# KiCad board revxl.kicad_pcb (continued)
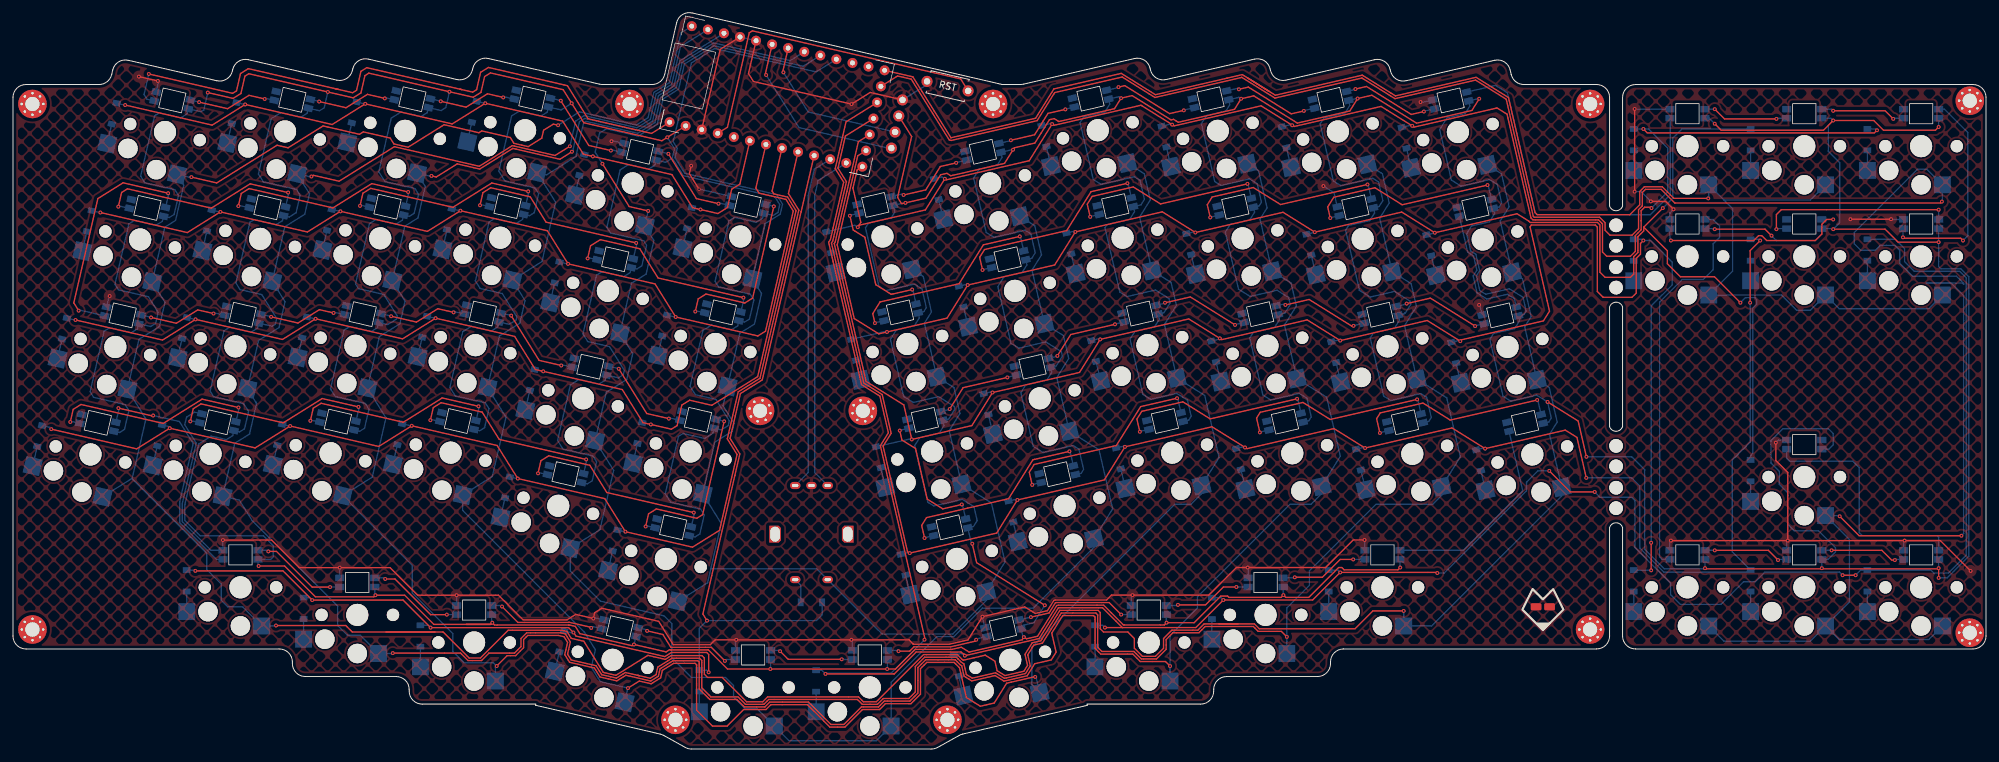
[diagram p0: board, top side]
## Routing (per net, layer and track width the routed paths; a pad name or vN(x,y) marks a point on that pad's centre or on a via; arc(x,y) is an arc through that point) (continued)
LED25: length 15
  Top w0.2: v1(48.85,24.96) 46.1,24.96 40.6,30.46 v1(39.35,30.46)
  Bottom w0.2: v1(48.85,24.96) 48.86,24.97 LED50.4 ; LED49.2 39.19,30.62 v1(39.35,30.46)
LED26: length 15
  Top w0.2: v1(66.85,20.71) 64.35,20.71 58.85,26.21 v1(57.35,26.21)
  Bottom w0.2: v1(57.35,26.21) 57.19,26.37 LED50.2 ; LED51.4 66.86,20.72 v1(66.85,20.71)
LED27: length 18.3
  Top w0.2: v1(75.35,21.96) 77.8,19.51 78.85,19.51 85.6,19.51 85.66,19.55 89.02,18.77 v1(89.09,18.66)
  Bottom w0.2: LED51.2 75.19,22.12 v1(75.35,21.96) ; v1(89.09,18.66) 89.39,18.85 LED55.4
LED28: length 17.3
  Top w0.2: v1(97.7,18.21) 100.13,17.65 101.35,15.7 101.44,15.68 106.69,15.68 107.59,15.68 v1(109.69,13.58)
  Bottom w0.2: LED57.4 109.91,13.8 v1(109.69,13.58) ; v1(97.7,18.21) 97.59,18.4 LED55.2
LED29: length 13.2
  Top w0.2: v1(127.69,13.83) 119.44,13.83 v1(118.19,15.08)
  Bottom w0.2: v1(118.19,15.08) 118.07,15.2 LED57.2 ; v1(127.69,13.83) 127.72,13.8 LED58.4
LED30: length 16
  Top w0.2: v1(136.44,15.08) 138.16,15.08 138.83,15.75 139.23,15.75 144.48,15.75 148.27,16.63 v1(148.41,16.84)
  Bottom w0.2: LED58.2 136.32,15.2 v1(136.44,15.08) ; LED56.4 148.48,16.97 v1(148.41,16.84)
LED31: length 19.1
  Top w0.2: v1(170.75,20.72) 168.9,22.57 167.75,22.57 160.71,22.57 160.62,22.55 159.63,20.97 v1(156.84,20.33)
  Bottom w0.2: v1(156.84,20.33) 156.83,20.33 LED56.2 ; v1(170.75,20.72) 170.75,20.72 LED54.4
LED32: length 13.8
  Top w0.2: v1(188.5,24.97) 186.5,24.97 183.75,22.22 v1(179.5,22.22)
  Bottom w0.2: v1(179.5,22.22) 179.4,22.12 LED54.2 ; LED53.4 188.5,24.97 v1(188.5,24.97)
LED33: length 13.8
  Top w0.2: v1(206.5,29.22) 204.5,29.22 201.75,26.47 v1(197.5,26.47)
  Bottom w0.2: LED53.2 197.4,26.37 v1(197.5,26.47) ; LED52.4 206.5,29.22 v1(206.5,29.22)
LED34: length 32.1
  Bottom w0.2: LED52.2 223.45,30.62 232.52,39.7 232.61,39.84 LED25.4
LED35: length 32.6
  Top w0.2: v1(210.61,48.72) 210.1,50.91 210.67,51.81 217.24,53.33 221.44,50.7 v1(234.84,53.8)
  Bottom w0.2: LED25.2 234.95,53.73 v1(234.84,53.8) ; v1(210.61,48.72) 210.64,48.77 LED29.4
LED36: length 32.6
  Top w0.2: v1(216.34,53.89) 202.95,50.8 198.75,53.42 192.17,51.9 191.61,51 v1(192.12,48.81)
  Bottom w0.2: LED29.2 216.45,53.82 v1(216.34,53.89) ; v1(192.12,48.81) 192.15,48.86 LED33.4
LED37: length 32.4
  Top w0.2: v1(173.62,48.9) 173.17,50.85 173.92,52.05 180.25,53.51 184.45,50.89 v1(197.85,53.98)
  Bottom w0.2: LED33.2 197.96,53.91 v1(197.85,53.98) ; v1(173.62,48.9) 173.65,48.95 LED37.4
LED38: length 33
  Top w0.2: v1(157.04,40.71) 156.59,42.66 157.34,43.86 170,46.78 173.75,52.78 v1(179.35,54.07)
  Bottom w0.2: v1(179.35,54.07) 179.47,54 LED37.2 ; LED41.4 157.07,40.76 v1(157.04,40.71)
LED39: length 33
  Top w0.2: v1(140.46,32.52) 140.01,34.47 140.75,35.67 147.09,37.13 153.4,38.59 157.14,44.58 157.41,44.65 v1(162.77,45.88)
  Bottom w0.2: LED45.4 140.49,32.57 v1(140.46,32.52) ; v1(162.77,45.88) 162.88,45.81 LED41.2
LED40: length 21.6
  Top w0.2: v1(146.19,37.69) 143.27,37.02 140.87,38.52 139.07,46.31 136.97,47.62 v1(136.63,49.08)
  Bottom w0.2: v1(136.63,49.08) 136.66,49.13 LED46.4 ; LED45.2 146.3,37.62 v1(146.19,37.69)
LED41: length 13.8
  Top w0.2: v1(144.33,52.4) 146.39,55.7 v1(153.21,57.27)
  Bottom w0.2: LED46.2 144.29,52.33 v1(144.33,52.4) ; LED42.4 153.24,57.32 v1(153.21,57.27)
LED42: length 13.8
  Top w0.2: v1(169.8,65.46) 162.98,63.89 v1(160.91,60.59)
  Bottom w0.2: v1(169.8,65.46) 169.83,65.51 LED38.4 ; LED42.2 160.87,60.52 v1(160.91,60.59)
LED43: length 15
  Top w0.2: v1(188.29,65.37) 181.39,69.68 v1(177.5,68.78)
  Bottom w0.2: LED34.4 188.32,65.42 v1(188.29,65.37) ; v1(177.5,68.78) 177.45,68.71 LED38.2
LED44: length 15
  Top w0.2: v1(196.05,68.45) 199.7,69.29 206.3,65.17 v1(206.54,65.22)
  Bottom w0.2: LED34.2 195.82,68.59 v1(196.05,68.45) ; v1(206.54,65.22) 206.57,65.27 LED30.4
LED45: length 15
  Top w0.2: v1(225.28,65.19) 218.38,69.5 v1(214.73,68.65)
  Bottom w0.2: v1(214.73,68.65) 214.69,68.58 LED30.2 ; LED26.4 225.31,65.24 v1(225.28,65.19)
LED46: length 20.4
  Bottom w0.2: LED26.2 231.33,69.42 230.24,70.1 227.07,69.37 225.58,70.3 224.98,72.89 ; 224.98,72.89 225.55,73.8 225.04,76 224.13,76.57 LED27.4
LED47: length 32.3
  Top w0.2: v1(202.96,81.85) 202.57,83.55 203.5,85.05 209.84,86.51 213.74,84.08 214.04,83.89 v1(227.19,86.93)
  Bottom w0.2: LED27.2 227.3,86.86 v1(227.19,86.93) ; LED31.4 202.99,81.89 v1(202.96,81.85)
LED48: length 32.4
  Top w0.2: v1(184.47,81.94) 184.02,83.89 184.77,85.09 191.1,86.55 195.3,83.92 v1(208.7,87.02)
  Bottom w0.2: LED35.4 184.5,81.99 v1(184.47,81.94) ; v1(208.7,87.02) 208.81,86.95 LED31.2
LED49: length 32.4
  Top w0.2: v1(190.2,87.11) 176.8,84.02 172.61,86.64 166.27,85.18 165.52,83.98 v1(165.97,82.03)
  Bottom w0.2: v1(165.97,82.03) 166,82.08 LED39.4 ; LED35.2 190.31,87.04 v1(190.2,87.11)
LED50: length 33
  Top w0.2: v1(149.39,73.84) 148.94,75.79 149.69,76.99 162.36,79.91 166.1,85.91 v1(171.71,87.2)
  Bottom w0.2: LED39.2 171.82,87.13 v1(171.71,87.2) ; LED43.4 149.42,73.89 v1(149.39,73.84)
LED51: length 32.8
  Top w0.2: v1(155.12,79.01) 149.52,77.72 145.77,71.72 133.59,68.91 132.47,67.11 v1(132.81,65.65)
  Bottom w0.2: v1(132.81,65.65) 132.84,65.7 LED47.4 ; v1(155.12,79.01) 155.23,78.94 LED43.2
LED52: length 21.8
  Top w0.2: v1(128.95,82.19) 129.46,80 131.26,78.88 132.89,71.81 132.94,71.57 135.33,70.08 135.58,70.14 v1(138.54,70.82)
  Bottom w0.2: v1(138.54,70.82) 138.65,70.75 LED47.2 ; LED48.4 128.99,82.26 v1(128.95,82.19)
LED53: length 13.9
  Top w0.2: v1(137.23,85.4) 140.64,86.19 142.89,89.78 v1(145.32,90.35)
  Bottom w0.2: v1(137.23,85.4) 137,85.54 LED48.2 ; v1(145.32,90.35) 145.35,90.4 LED44.4
LED54: length 13.8
  Top w0.2: v1(162.15,98.59) 159.47,97.97 157.41,94.68 v1(153.75,93.83)
  Bottom w0.2: LED44.2 153.71,93.76 v1(153.75,93.83) ; LED40.4 162.18,98.64 v1(162.15,98.59)
LED55: length 15
  Top w0.2: v1(170.34,102.02) 171.31,102.25 178.21,97.94 v1(180.4,98.45)
  Bottom w0.2: LED40.2 170.29,101.95 v1(170.34,102.02) ; v1(180.4,98.45) 180.43,98.49 LED36.4
LED56: length 15
  Top w0.2: v1(198.89,98.35) 196.95,97.9 190.35,102.03 v1(188.89,101.69)
  Bottom w0.2: LED32.4 198.92,98.4 v1(198.89,98.35) ; LED36.2 188.66,101.83 v1(188.89,101.69)
LED57: length 15
  Top w0.2: v1(206.84,101.73) 208.54,102.12 215.44,97.81 v1(217.39,98.26)
  Bottom w0.2: v1(206.84,101.73) 206.79,101.66 LED32.2 ; v1(217.39,98.26) 217.42,98.31 LED28.4
LED58: length 59.7
  Bottom w0.2: LED28.2 228.43,102.29 230.26,101.15 231.16,97.25 234.53,82.63 234.78,82.38 246.86,82.38 247,82.36 252.29,82.36 255.35,85.43 255.35,97.17 LED61.4
LED59: length 13.3
  Top w0.2: v1(262.2,98.63) 263.7,97.13 v1(271.7,97.13)
  Bottom w0.2: v1(271.7,97.13) 271.8,97.22 LED65.4 ; v1(262.2,98.63) 262.2,98.62 LED61.2
LED60: length 13.3
  Top w0.2: v1(289.7,97.13) 288.45,98.38 v1(280.45,98.38)
  Bottom w0.2: LED65.2 280.21,98.62 v1(280.45,98.38) ; v1(289.7,97.13) 289.8,97.22 LED68.4
LED61: length 33.8
  Top w0.2: v1(291.2,78.88) 291.35,78.73 300.1,78.73 v1(300.45,78.38)
  Bottom w0.2: v1(291.2,78.88) 291.2,80.13 LED67.4 ; v1(300.45,78.38) 301.2,79.13 301.2,95.02 297.6,98.62 LED68.2
LED62: length 30.7
  Top w0.2: v1(296.7,83.13) 279.45,83.13 272.45,83.13 271.7,82.38 v1(271.7,80.13)
  Bottom w0.2: v1(271.7,80.13) 271.8,80.22 LED64.4 ; v1(296.7,83.13) 296.7,83.12 LED67.2
LED63: length 31.5
  Top w0.2: v1(255.45,78.38) 268.2,78.38 268.95,79.13 269.45,79.13 270.2,78.38 277.7,78.38 278.7,79.38 278.7,80.88 279.45,81.63 v1(280.45,81.63)
  Bottom w0.2: v1(255.45,78.38) 255.3,78.53 LED60.4 ; LED64.2 280.45,81.62 v1(280.45,81.63)
LED64: length 64.7
  Bottom w0.2: LED59.4 254.11,29.22 253.7,29.63 253.7,46.13 253.7,44.38 253.7,68.88 257.2,72.38 260.45,72.38 261.95,73.88 261.95,77.88 262.95,78.88 262.95,80.63 261.96,81.62 LED60.2
LED65: length 13.3
  Top w0.2: v1(271.95,29.13) 270.45,30.63 v1(262.2,30.63)
  Bottom w0.2: LED59.2 262.2,30.62 v1(262.2,30.63) ; LED62.4 272.05,29.22 v1(271.95,29.13)
LED66: length 13.3
  Top w0.2: v1(289.95,29.13) 289.45,29.13 287.95,30.63 v1(280.2,30.63)
  Bottom w0.2: v1(280.2,30.63) 280.2,30.62 LED62.2 ; LED66.4 290.05,29.22 v1(289.95,29.13)
LED67: length 37.7
  Bottom w0.2: LED66.2 296.7,32.63 296.45,32.88 284.95,32.88 284.45,33.38 284.45,43.38 283.45,44.38 273.7,44.38 273.3,44.78 LED63.4
left_del: length 3.1
  Bottom w0.2: S60.2 D60.2
left_down: length 3.1
  Bottom w0.2: S59.2 D59.2
left_ins: length 3.1
  Bottom w0.2: S61.2 D61.2
middle_bottom: length 3.1
  Bottom w0.2: S13.2 D13.2
middle_home: length 3.1
  Bottom w0.2: S14.2 D14.2
middle_num: length 3.1
  Bottom w0.2: S16.2 D16.2
middle_top: length 3.1
  Bottom w0.2: S15.2 D15.2
mirror_alt_modrow: length 3.1
  Bottom w0.2: S53.2 D53.2
mirror_ctrl_modrow: length 3.1
  Bottom w0.2: S52.2 D52.2
mirror_index_bottom: length 3.1
  Bottom w0.2: S41.2 D41.2
mirror_index_home: length 3.1
  Bottom w0.2: S42.2 D42.2
mirror_index_num: length 3.1
  Bottom w0.2: S44.2 D44.2
mirror_index_top: length 3.1
  Bottom w0.2: S43.2 D43.2
mirror_inner_bottom: length 3.1
  Bottom w0.2: S45.2 D45.2
mirror_inner_home: length 3.1
  Bottom w0.2: S46.2 D46.2
mirror_inner_num: length 3.1
  Bottom w0.2: S48.2 D48.2
mirror_inner_top: length 3.1
  Bottom w0.2: S47.2 D47.2
mirror_layercol_layerrow: length 3.1
  Bottom w0.2: 145.74,11.26 D56.2 S56.2
mirror_middle_bottom: length 3.1
  Bottom w0.2: S37.2 D37.2
mirror_middle_home: length 3.1
  Bottom w0.2: S38.2 D38.2
mirror_middle_num: length 3.1
  Bottom w0.2: S40.2 D40.2
mirror_middle_top: length 3.1
  Bottom w0.2: S39.2 D39.2
mirror_outer_bottom: length 3.1
  Bottom w0.2: S25.2 D25.2
mirror_outer_home: length 3.1
  Bottom w0.2: S26.2 D26.2
mirror_outer_num: length 3.1
  Bottom w0.2: S28.2 D28.2
mirror_outer_top: length 3.1
  Bottom w0.2: S27.2 D27.2
mirror_pinky_bottom: length 3.1
  Bottom w0.2: S29.2 D29.2
mirror_pinky_home: length 3.1
  Bottom w0.2: S30.2 D30.2
mirror_pinky_num: length 3.1
  Bottom w0.2: S32.2 D32.2
mirror_pinky_top: length 3.1
  Bottom w0.2: S31.2 D31.2
mirror_ring_bottom: length 3.1
  Bottom w0.2: S33.2 D33.2
mirror_ring_home: length 3.1
  Bottom w0.2: S34.2 D34.2
mirror_ring_num: length 3.1
  Bottom w0.2: S36.2 D36.2
mirror_ring_top: length 3.1
  Bottom w0.2: S35.2 D35.2
mirror_spacecol_spacerow: length 3.1
  Bottom w0.2: S58.2 D58.2
mirror_super_modrow: length 3.1
  Bottom w0.2: S54.2 D54.2
outer_bottom: length 3.1
  Bottom w0.2: S1.2 D1.2
outer_home: length 3.1
  Bottom w0.2: S2.2 D2.2
outer_num: length 3.1
  Bottom w0.2: S4.2 D4.2
outer_top: length 3.1
  Bottom w0.2: S3.2 D3.2
pinky_bottom: length 3.1
  Bottom w0.2: S5.2 D5.2
pinky_home: length 3.1
  Bottom w0.2: S6.2 D6.2
pinky_num: length 3.1
  Bottom w0.2: S8.2 D8.2
pinky_top: length 3.1
  Bottom w0.2: S7.2 D7.2
right_del: length 3.1
  Bottom w0.2: S67.2 D67.2
right_down: length 3.1
  Bottom w0.2: S66.2 D66.2
right_ins: length 3.1
  Bottom w0.2: S68.2 D68.2
ring_bottom: length 3.1
  Bottom w0.2: S9.2 D9.2
ring_home: length 3.1
  Bottom w0.2: S10.2 D10.2
ring_num: length 3.1
  Bottom w0.2: D12.2 S12.2
ring_top: length 3.1
  Bottom w0.2: D11.2 S11.2
rotA: length 52.6
  Bottom w0.2: REF**.20 123.47,89.38 122.52,85.29 122.52,46.29 122.52,43.04 122.52,42.62 RE1.A
rotB: length 53
  Bottom w0.2: REF**.23 124.1,87.65 124.07,87.63 123.52,85.29 123.52,43.29 123.52,42.62 RE1.C
row0: length 122.7
  Top w0.2: v1(17.28,99.26) 30.68,96.17 v1(35.78,99.35) 49.18,96.26 v1(54.27,99.44) 67.67,96.35 v1(72.77,99.54) 84.7,96.78 87.89,91.68 v1(89.35,91.35) 101.53,88.53 104.72,83.44 v1(105.93,83.15) 108.6,82.54 110.09,83.46 110.74,86.29 112,87.08 REF**.29
  Bottom w0.2: D16.1 72.74,99.52 v1(72.77,99.54) ; v1(105.93,83.15) 105.91,83.14 D24.1 ; v1(89.35,91.35) 89.32,91.33 D20.1 ; D4.1 17.26,99.24 v1(17.28,99.26) ; v1(35.78,99.35) 35.75,99.33 D8.1 ; D12.1 54.25,99.43 v1(54.27,99.44)
row1: length 154.6
  Top w0.2: v1(13.46,82.7) 26.86,79.6 v1(31.95,82.79) 45.35,79.69 v1(50.45,82.88) 63.85,79.79 v1(68.94,82.97) 82.34,79.88 v1(85.53,74.78) 98.92,71.69 v1(102.11,66.59) 114.77,63.67 115.95,64.41 120.22,82.92 119.1,84.72 114.96,85.68 114.46,86.47 REF**.28
  Bottom w0.2: v1(85.53,74.78) 85.5,74.76 D19.1 ; v1(102.11,66.59) 102.08,66.57 D23.1 ; D7.1 31.93,82.77 v1(31.95,82.79) ; v1(68.94,82.97) 68.92,82.95 D15.1 ; D3.1 13.43,82.68 v1(13.46,82.7) ; D11.1 50.42,82.86 v1(50.45,82.88)
row2: length 166
  Top w0.2: REF**.27 116.96,86 117.24,85.56 119.35,85.07 120.65,82.99 114.74,57.4 107.67,52.98 104.26,53.76 103.06,53.02 102.33,49.85 101.44,49.3 v1(98.28,50.03) 97.07,50.31 93.88,55.4 v1(81.7,58.22) 80.48,58.5 77.3,63.59 v1(65.12,66.41) 60.02,63.22 v1(46.63,66.31) 41.53,63.13 v1(28.13,66.22) 23.03,63.04 v1(9.64,66.13)
  Bottom w0.2: D14.1 65.09,66.39 v1(65.12,66.41) ; D2.1 9.61,66.11 v1(9.64,66.13) ; D18.1 81.68,58.2 v1(81.7,58.22) ; v1(98.28,50.03) 98.26,50.01 D22.1 ; v1(28.13,66.22) 28.1,66.21 D6.1 ; v1(46.63,66.31) 46.6,66.3 D10.1
row3: length 184.9
  Top w0.2: v1(5.9,49.3) 19.05,46.26 v1(24.15,49.45) 37.31,46.41 v1(42.7,49.79) 56.34,46.64 v1(61.44,49.82) 74.59,46.78 v1(77.78,41.69) 91.18,38.59 v1(94.36,33.5) 104.7,31.11 108.86,33.71 111.56,45.41 110.06,47.81 111.74,55.05 115.09,57.15 121.08,83.06 119.48,85.62 REF**.26
  Bottom w0.2: v1(24.15,49.45) 23.99,49.71 D5.1 ; v1(42.7,49.79) 42.66,49.76 D9.1 ; v1(94.36,33.5) 94.32,33.47 D21.1 ; v1(5.9,49.3) 5.74,49.56 D1.1 ; v1(77.78,41.69) 77.74,41.66 D17.1 ; D13.1 61.4,49.8 v1(61.44,49.82)
row4: length 198.4
  Top w0.2: v1(106.93,19.79) 106.29,20.81 111.22,42.15 111.99,45.48 110.49,47.88 112.09,54.8 115.45,56.9 121.43,82.81 121.44,82.82 REF**.22 ; v1(107.19,11.83) 107.19,14.58 106.89,14.88 106.19,14.88 101.44,14.88 100.43,14.25 86.74,17.41 86.41,17.95 v1(86.35,17.96) 85.6,18.71 v1(64.35,18.71) 60.1,22.96 v1(46.1,22.96) 41.6,27.46 v1(28.1,27.46)
  Bottom w0.2: D50.1 45.74,23.32 v1(46.1,22.96) ; v1(28.1,27.46) 27.99,27.57 D49.1 ; v1(64.35,18.71) 63.99,19.07 D51.1 ; v1(86.35,17.96) 86.24,17.89 D55.1 ; D69.1 124.67,20.69 123.78,19.79 v1(106.93,19.79) 105.75,18.61 D57.1 106.87,12.15 v1(107.19,11.83)
row5: length 235.8
  Top w0.2: REF**.21 130.07,89.27 130.04,89.15 129.42,86.44 130.63,81.18 v1(130.16,80.43) 130.35,80.73 140.58,83.09 v1(143.58,87.89) 143.83,87.74 156.58,90.68 v1(160.11,96.33) 160.41,96.14 173.8,99.23 v1(178.6,96.23) 178.9,96.05 192.3,99.14 v1(197.1,96.14) 197.39,95.95 210.79,99.05 v1(215.59,96.05) 215.89,95.86 228.5,98.77 228.66,98.81 230.2,97.85 230.32,97.31 233.89,81.86 233.89,81.86 234.19,81.56 244.29,81.56 244.91,80.95 244.91,76.6 245.56,75.95 249.21,75.95 249.96,76.7 249.96,79.14 250.86,80.04 250.86,82.97 251.4,83.51 252.32,83.51 v1(252.45,83.38) ; v1(287.2,95.38) 286.8,94.97 251.8,94.97 v1(251.2,95.57)
  Bottom w0.2: D28.1 215.42,96.16 v1(215.59,96.05) ; D40.1 159.94,96.43 v1(160.11,96.33) ; v1(287.2,95.38) 287.01,95.57 D68.1 ; v1(130.16,80.43) 129.69,80.73 D48.1 ; D61.1 v1(251.2,95.57) 252.01,95.57 254.95,92.63 254.95,88.63 254.95,85.88 v1(252.45,83.38) ; v1(197.1,96.14) 196.93,96.25 D32.1 ; D44.1 143.11,88.18 v1(143.58,87.89) ; D36.1 178.43,96.34 v1(178.6,96.23)
row6: length 264.4
  Top w0.2: v1(266.16,68.79) 262.16,72.79 256.91,72.79 254.91,74.79 254.91,76.79 251.26,80.44 ; v1(254.2,83.38) 251.26,80.44 ; 251.26,80.44 251.26,79.87 250.36,78.97 250.36,76.54 249.71,75.89 249.71,73.2 249.21,72.7 245.31,72.7 244.51,73.5 244.51,80.78 244.13,81.16 233.76,81.16 233.56,81.37 231.74,82.5 v1(219.07,79.58) 213.98,82.76 v1(200.58,79.67) 195.68,82.73 v1(182.18,79.61) 177.08,82.8 v1(163.69,79.71) 160.5,74.61 v1(147.1,71.52) 143.92,66.42 v1(134.66,64.28) 133.4,63.99 129.62,66.35 126.99,77.72 128.79,85.51 130.16,91.44 REF**.16
  Bottom w0.2: v1(134.66,64.28) 134.49,64.39 D47.1 ; v1(182.18,79.61) 182.01,79.72 D35.1 ; D63.1 267.73,45.22 268.06,45.55 268.06,62.29 268.06,65.79 268.06,67.94 268.66,68.54 268.66,69.29 268.38,69.57 266.93,69.57 v1(266.16,68.79) ; v1(200.58,79.67) 200.56,79.64 D31.1 ; v1(147.1,71.52) 146.94,71.62 D43.1 ; v1(163.69,79.71) 163.52,79.81 D39.1 ; v1(219.07,79.58) 219.05,79.55 D27.1 ; D65.1 257.15,95.57 255.75,94.18 255.75,84.93 v1(254.2,83.38)
row7: length 282.8
  Top w0.2: REF**.15 130.25,93.62 128.48,85.92 126.68,78.13 126.54,77.91 131.44,56.66 137.26,53.03 v1(138.49,47.72) 147.74,49.85 v1(150.93,54.95) 164.33,58.04 v1(167.51,63.14) 181.15,66.29 v1(185.95,63.29) 186.25,63.11 199.4,66.14 v1(204.5,62.96) 217.9,66.05 v1(222.99,62.87) 223.12,63.07 235.81,65.99 236.74,67.49 236.37,69.11 233.75,80.47 233.93,80.76 243.8,80.76 244.11,80.46 244.11,70.53 245.01,69.63 249.45,69.63 250.11,70.29 250.11,75.63 250.76,76.28 250.76,77.94 v1(251.2,78.38) ; v1(252.41,27.54) v1(252.41,31.79)
  Bottom w0.2: D46.1 138.32,47.82 v1(138.49,47.72) ; v1(252.41,31.79) 252.41,68.29 255.66,71.54 255.66,75.04 252.32,78.38 v1(251.2,78.38) 251.01,78.57 D60.1 ; D34.1 185.87,63.16 v1(185.95,63.29) ; D30.1 204.33,63.06 v1(204.5,62.96) ; D26.1 222.83,62.97 v1(222.99,62.87) ; v1(167.51,63.14) 167.34,63.25 D38.1 ; D42.1 150.76,55.06 v1(150.93,54.95) ; v1(252.41,27.54) 252.38,27.57 D59.1
row8: length 294.5
  Top w0.2: v1(242.41,41.79) 240.97,48.03 239.17,49.15 v1(226.82,46.3) 221.72,49.49 v1(208.32,46.39) 203.53,49.39 190.13,46.3 v1(189.83,46.48) 184.73,49.67 v1(171.33,46.58) 168.15,41.48 v1(154.75,38.39) 151.57,33.29 v1(138.17,30.2) 137.83,30.41 134.07,46.69 135.31,48.66 133.93,54.64 131.09,56.41 126.11,77.98 126.31,78.3 126.46,78.95 128.42,87.44 127.11,89.53 128.26,94.49 REF**.14 ; v1(269.2,78.38) 267.66,76.83 v1(267.66,68.79)
  Bottom w0.2: D45.1 138,30.3 v1(138.17,30.2) ; v1(269.2,78.38) 269.01,78.57 D64.1 ; D37.1 171.17,46.68 v1(171.33,46.58) ; D41.1 154.58,38.49 v1(154.75,38.39) ; D33.1 189.66,46.59 v1(189.83,46.48) ; v1(242.41,41.79) 249.41,41.79 250.66,40.54 250.66,30.98 254.36,27.28 267.43,27.28 D62.1 264.91,30.39 264.91,44.54 267.66,47.29 v1(267.66,68.79) ; v1(226.82,46.3) 226.65,46.41 D25.1 ; v1(208.32,46.39) 208.16,46.5 D29.1
row9: length 390.8
  Top w0.2: v1(236.7,42.88) 239.95,39.63 v1(243.7,39.63) ; REF**.13 128.35,96.66 126.68,89.42 126.72,89.41 127.99,87.37 126.35,80.26 125.95,78.55 125.67,78.1 128.26,66.9 130.74,56.16 133.57,54.39 134.88,48.74 133.64,46.76 140.52,16.97 v1(140.44,16.85) ; v1(283.91,26.79) v1(281.91,26.79) ; v1(125.19,11.58) 135.73,11.58 135.79,11.58 136.14,11.93 139.16,14.95 144.48,14.95 146.06,14.95 146.12,14.89 146.62,14.58 v1(146.66,14.39) 158.11,17.03 161.06,21.75 161.15,21.77 167.88,21.77 170.93,18.72 171,18.72 ; 171,18.72 182.25,18.72 v1(186.5,22.97) 200.25,22.97 v1(204.5,27.22) 219.36,27.22 v1(219.45,27.13) ; 171,18.72 v1(168.25,18.72)
  Bottom w0.2: v1(281.91,26.79) 281.42,27.28 269.92,27.28 268.44,25.79 266.66,25.79 263.16,22.29 256.91,22.29 255.41,23.79 255.41,25.54 249.91,31.04 249.91,38.29 249.41,38.79 244.54,38.79 v1(243.7,39.63) ; v1(186.5,22.97) 186.14,23.32 D53.1 ; v1(219.45,27.13) 220.52,27.13 229.24,35.84 233.2,39.81 233.2,41.13 234.95,42.88 v1(236.7,42.88) ; v1(168.25,18.72) 167.89,19.07 D54.1 ; v1(283.91,26.79) 284.68,27.57 D66.1 295.51,27.57 295.95,27.13 298.2,27.13 300.95,29.88 300.95,72.63 299.95,73.63 292.95,73.63 291.45,75.13 291.45,77.13 290.01,78.57 D67.1 ; D58.1 124.62,12.15 v1(125.19,11.58) 125.31,11.7 135.29,11.7 v1(140.44,16.85) ; v1(146.66,14.39) 146.12,14.73 D56.1 ; D52.1 204.14,27.57 v1(204.5,27.22)
RST: length 52.4
  Top w0.2: RST1.1 146.01,103.29 113.93,110.69 113.44,110.39 110.08,95.84 REF**.RST
SCL: length 24.8
  Top w0.2: v1(118.71,104.3) 118.61,104.45 REF**.3
  Bottom w0.2: DISP1.2 122.52,98.19 v1(118.71,104.3)
SDA: length 29.1
  Top w0.2: v1(116.05,103.89) 115.92,104.08 REF**.2
  Bottom w0.2: v1(116.05,103.89) 121.11,95.79 135.2,92.54 DISP1.1
spacecol_spacerow: length 3.1
  Bottom w0.2: S57.2 D57.2
super_modrow: length 3.1
  Bottom w0.2: S51.2 D51.2

## Copper pours and planes (outline as drawn; the poured copper is in the pictures)
GND on Top (solid shape): 235.5,22.25 235.5,21.59 235.28,21.37 234.07,21.37 233.85,21.59 233.85,22.25 234.07,22.47 235.28,22.47
GND on Top (solid shape): 237.57,22.25 237.57,21.59 237.36,21.37 236.15,21.37 235.93,21.59 235.93,22.25 236.15,22.47 237.36,22.47
GND on Top: -9,-9.78 -9,115.22 316,115.22 316,-9.78
GND on Bottom: -9,-9.7 -9,115.3 316,115.3 316,-9.7
